# Altium PCB CrypTech.PcbDoc (part 3 of 6) (continued)
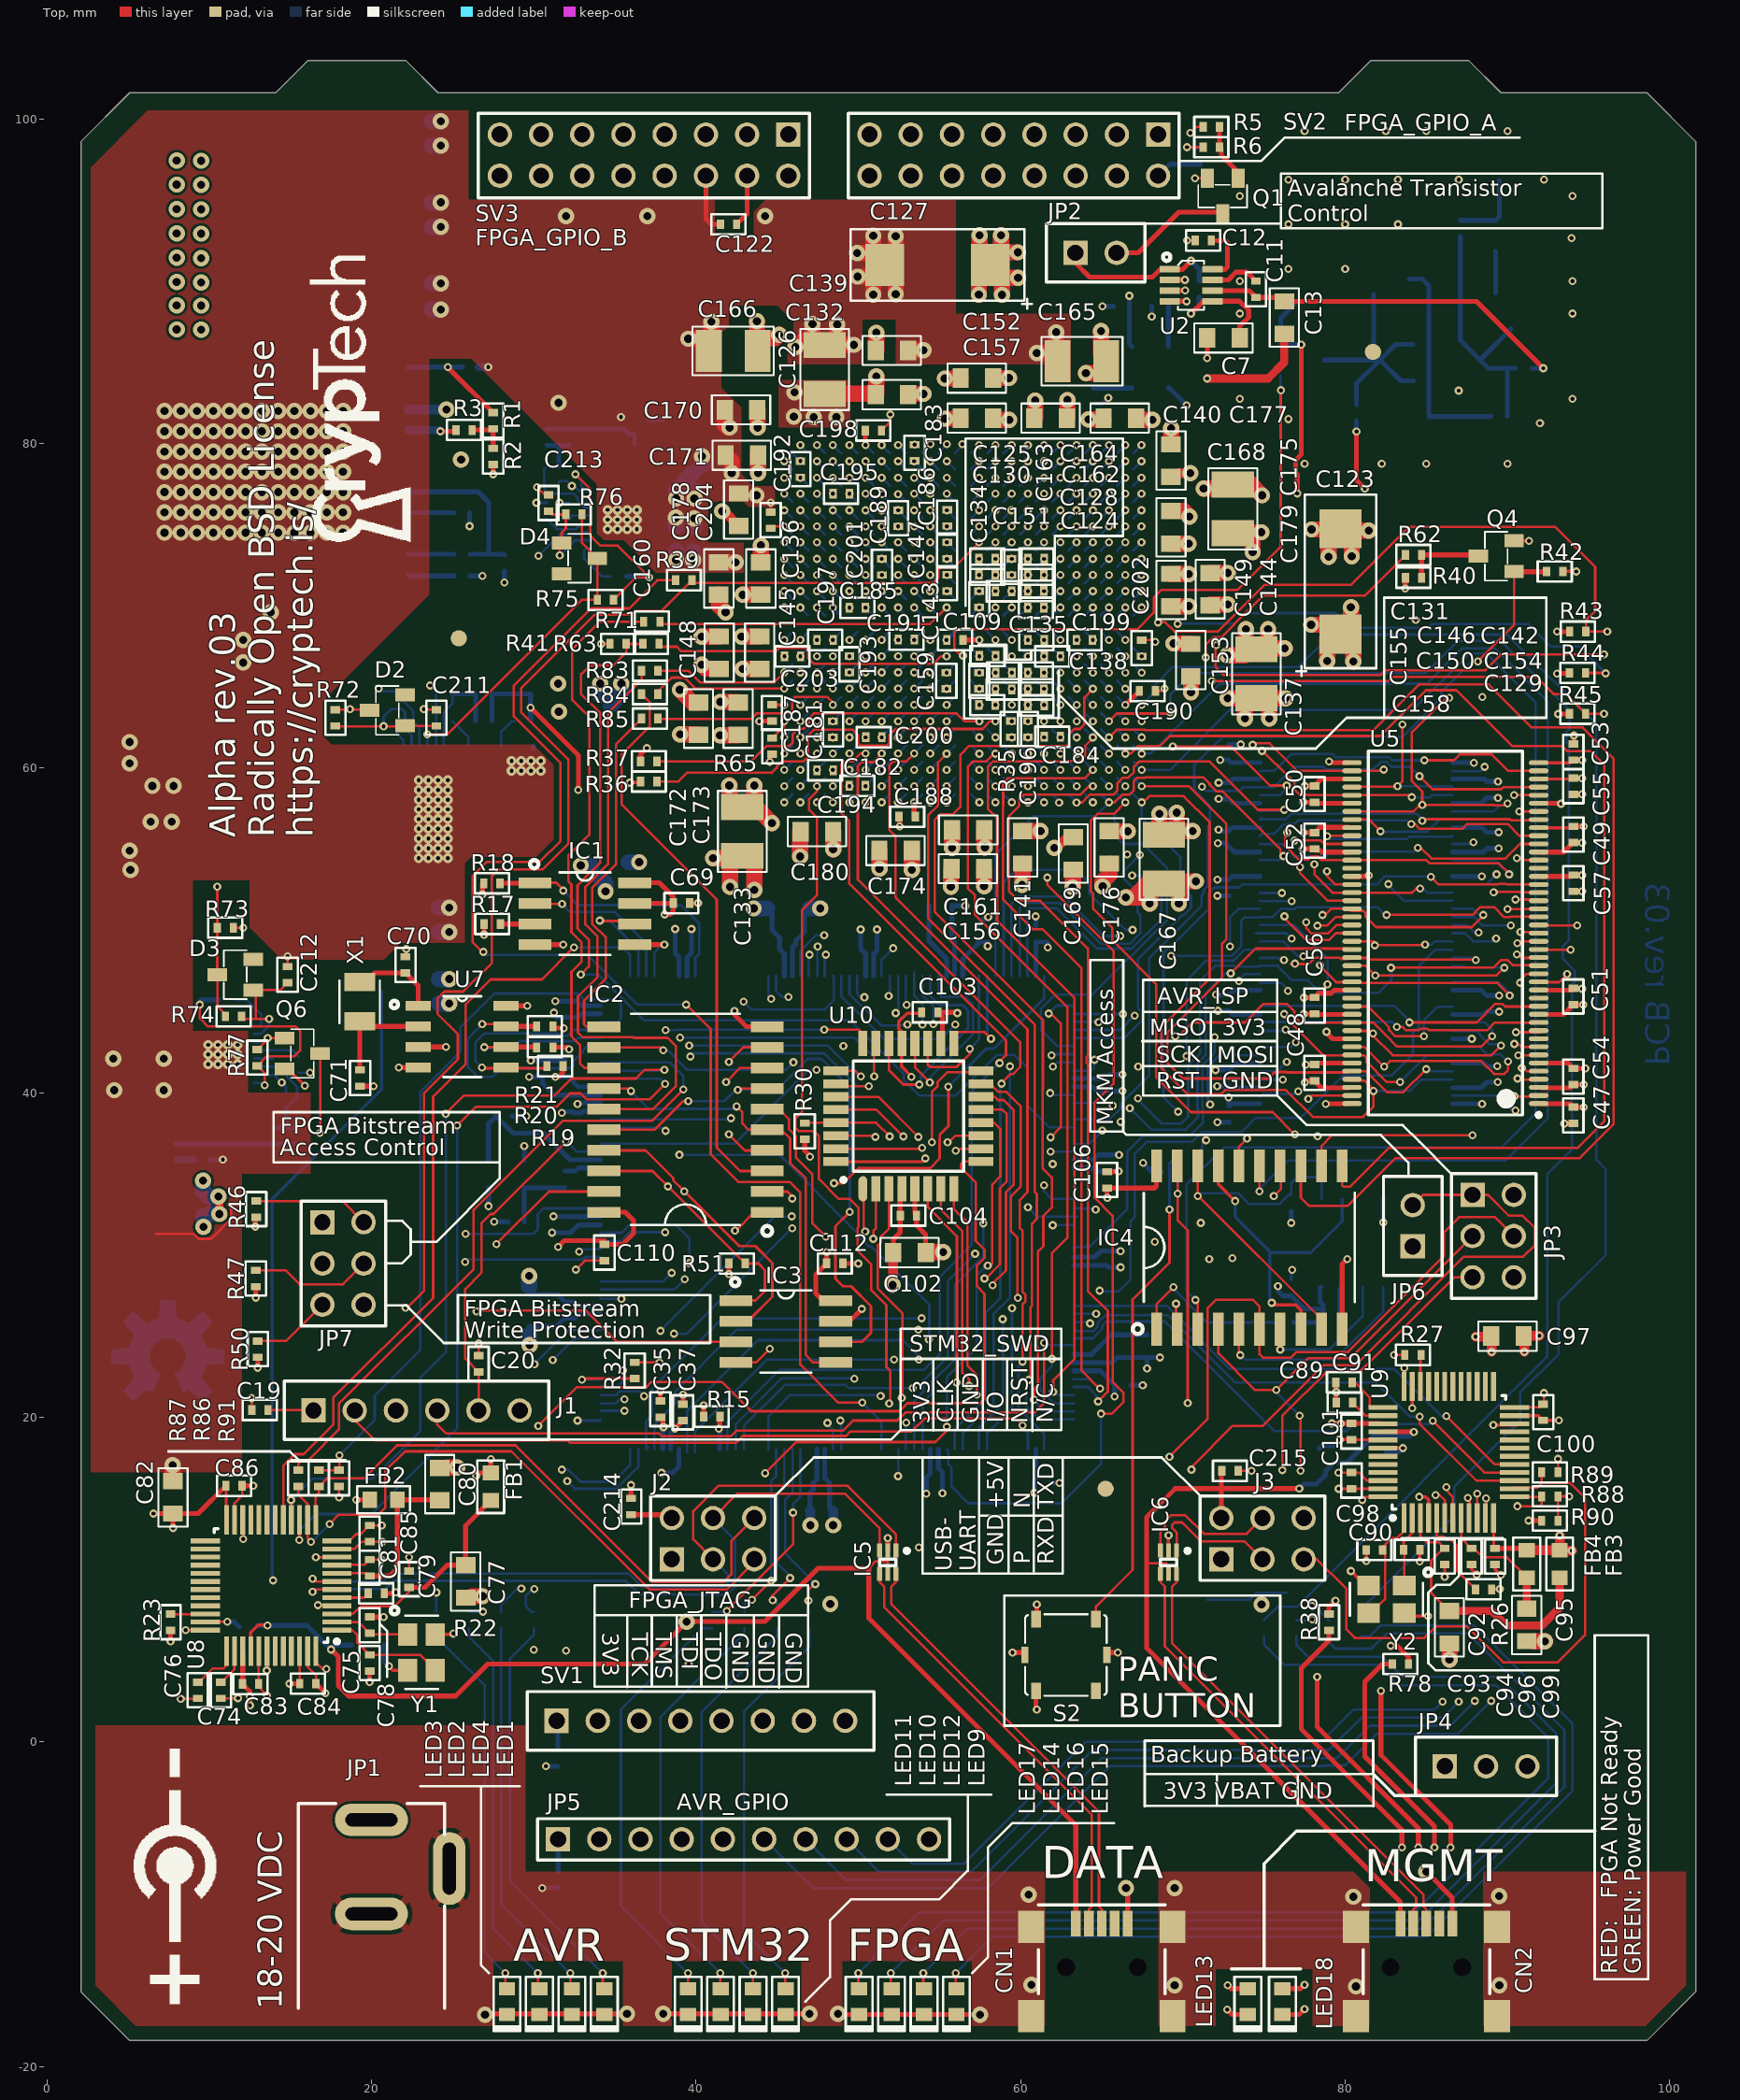
[diagram p0: Top view]
## Nets (pads, with @x,y where several pads share a name; then routed paths per layer and width w, separated by ;. In a path a pad name is that pad's centre, name@x,y a point inside that pad or via, vN(x,y) a via of type N, cw(c..) or ccw(c..) an arc to the next point about the centre after c; other vN are vias at no path point) (continued)
  Inner Layer 1 w0.164: v1(63.453,58.885) 63.765,58.885 64.25,58.4 64.75,58.4 64.971,58.179 64.971,57.654 65.868,56.757 65.868,55.757 66.359,55.266 66.74,55.266 v1(67.353,54.653)
  Inner Layer 2 w0.164: v1@63.51,58.885 v1(63.453,58.885) 63.971,59.403 63.971,61.084 64.29,61.403 64.653,61.403 64.971,61.721 64.971,62.213 65.125,62.367 67.883,62.367 68.225,62.025 70.058,62.025 70.351,62.318 79.032,62.318 84.597,56.753 v1(84.754,56.753)
  Bottom w0.15: U4.101@59.944,47.193 59.944,51.394 60.225,51.675 62.45,51.675 64.948,49.177 66.724,49.177 67.375,49.828 67.375,50.95 67.203,51.122 67.203,52.347 66.363,53.187 66.363,53.662 v1(67.353,54.653) ; U13.AA5@62.953,59.385 v1(63.453,58.885) ; U6.36@74.839,56.925 74.74,56.826 76.323,56.826 76.672,57.175 84.425,57.175 84.754,56.846 v1(84.754,56.753)
FMC_D20: U4.102 U5.37 U6.37 U13.AB5 | length 58.7
  Top w0.15: v1(63.45,57.875) 63.8,57.875 63.978,58.053 63.978,58.082 64.257,58.36 65.71,58.36 65.975,58.625 65.975,59.078 66.307,59.41 66.65,59.41 66.978,59.738 66.978,60.082 67.257,60.36 67.285,60.36 67.325,60.4 71.65,60.4 74.625,57.425 v1(76.25,57.425) ; v1(90.725,57.325) v1(90.725,57.325) U5.37@92.1,57.326
  Inner Layer 1 w0.164: v1@63.4,57.675 64.375,56.7 64.375,55.525 66.1,53.8 66.45,53.8 v1(66.875,53.375) ; v1(76.25,57.425) 76.35,57.325 82.357,57.325 83.714,58.682 85.45,58.682 86.257,57.875 88.768,57.875 89.4,57.243 90.643,57.243 v1(90.725,57.325)
  Bottom w0.15: U4.102@60.452,47.193 60.41,47.236 60.41,51.21 60.575,51.375 62.215,51.375 64.712,48.877 66.848,48.877 68.675,50.704 68.675,52.1 67.4,53.375 v1(66.875,53.375) ; U13.AB5@62.953,58.385 v1@63.4,57.938 ; U6.37@74.74,57.326 74.782,57.368 76.193,57.368 v1(76.25,57.425)
FMC_D21: U4.151 U5.39 U6.39 U13.Y4 | length 81.2
  Top w0.15: v1(64.453,59.885) 63.928,59.36 59.21,59.36 58.928,59.078 58.928,57.66 58.9,57.631 58.9,51.925 60.75,50.075 61.35,50.075 63.75,47.675 63.75,22.889 64.87,21.77 v1(64.9,21.77) ; v1(69.375,61.325) 72.975,61.325 75.375,58.925 v1(76.4,58.925) ; v1(90.404,58.328) 90.406,58.326 U5.39@92.1,58.326
  Inner Layer 1 w0.164: v1(76.4,58.925) 76.9,59.425 82.168,59.425 82.175,59.418 82.575,59.418 82.582,59.425 83.968,59.425 84.375,59.018 88.007,59.018 88.375,58.65 90.25,58.65 90.45,58.45 90.404,58.404 v1(90.404,58.328)
  Inner Layer 2 w0.164: v1(64.453,59.885) 64.453,60.203 64.971,60.721 64.971,61.084 65.254,61.367 69.342,61.367 69.375,61.4 v1(69.375,61.325)
  Bottom w0.15: U4.151@63.271,22.352 64.318,22.352 v1(64.9,21.77) ; U13.Y4@63.953,60.385 v1(64.453,59.885) ; U6.39@74.74,58.326 75.976,58.326 76.4,58.75 v1(76.4,58.925)
FMC_D22: U4.152 U5.40 U6.40 U13.AA4 | length 79.7
  Top w0.15: v1(64.453,58.885) 64.21,58.885 63.685,58.36 60.185,58.36 59.928,58.103 59.928,57.688 59.275,57.035 59.275,52.425 59.875,51.825 61.2,51.825 64.15,48.875 64.15,42.294 64.078,42.222 64.078,41.828 64.15,41.756 64.15,27.775 65.375,26.55 65.375,21.573 65.097,21.295 65.095,21.295 v1(64.775,20.975) ; v1(84.575,59.5) 85.384,58.691 89.613,58.691 89.748,58.826 U5.40@92.1,58.826
  Inner Layer 1 w0.164: v1(64.453,58.885) 64.971,59.403 64.971,60.146 65.2,60.375 68.85,60.375 70.375,58.85 v1(71.175,58.85)
  Bottom w0.15: U4.152@63.271,21.869 64.156,21.869 64.425,21.6 64.425,21.573 64.775,21.223 v1(64.775,20.975) ; U13.AA4@63.953,59.385 v1(64.453,58.885) ; v1(71.175,58.85) 71.425,58.6 73.5,58.6 73.726,58.826 75.626,58.826 76.875,60.075 78.653,60.075 78.803,59.925 81.728,59.925 82.178,60.375 82.572,60.375 82.872,60.075 84,60.075 v1(84.575,59.5)
FMC_D23: U4.153 U5.42 U6.42 U13.V4 | length 94.8
  Top w0.15: v1(62.003,21.576) 62.003,22.278 63.325,23.6 63.325,45.825 58.55,50.6 58.55,56.925 57.978,57.497 57.978,60.082 58.307,60.41 62.65,60.41 62.665,60.425 63.241,60.425 63.257,60.41 63.65,60.41 63.978,60.738 63.978,61.36 64.453,61.835 v1(64.453,61.885) ; v1(84.879,60.478) 86.703,60.478 87.075,60.85 89.025,60.85 90.049,59.826 U5.42@92.1,59.826
  Inner Layer 2 w0.164: v1(64.453,61.885) 64.657,62.089 64.657,62.407 64.935,62.685 64.935,64.048 65.254,64.367 69.067,64.367 70.55,65.85 79.507,65.85 v1(84.879,60.478)
  Bottom w0.15: v1(62.003,21.576) 62.003,21.572 62.214,21.361 U4.153@63.271,21.361 ; U13.V4@63.953,62.385 v1(64.453,61.885) ; U6.42@74.74,59.826 75.626,59.826 76.675,60.875 79.197,60.875 79.397,60.675 82.696,60.675 82.893,60.478 v1(84.879,60.478)
FMC_D24: U4.154 U5.45 U6.45 U13.W10 | length 83.9
  Top w0.15: v1(58.453,60.885) 58.357,60.885 57.882,60.41 57.085,60.41 56.75,60.075 56.75,52.6 57.175,52.175 57.175,50.978 62.875,45.278 62.875,31.05 61.925,30.1 v1(61.925,23.6) ; v1(74.3,61.425) 74.4,61.525 75.35,61.525 77.049,59.826 80.227,59.826 82.301,59.826 v1(82.375,59.9)
  Inner Layer 1 w0.164: v1(58.453,60.885) 58.772,60.885 59.254,60.403 59.653,60.403 59.971,60.721 59.971,61.084 60.29,61.403 62.653,61.403 62.935,61.685 62.935,62.048 63.29,62.403 65.653,62.403 65.971,62.721 65.971,63.084 66.254,63.367 66.617,63.367 66.971,63.721 66.971,64.084 67.254,64.367 69.676,64.367 70.1,63.943 70.657,63.943 72.675,61.925 73.343,61.925 73.357,61.939 73.786,61.939 v1(74.3,61.425) ; v1(82.375,59.9) 82.457,59.982 87.586,59.982 87.724,59.844 88.123,59.844 88.354,60.075 v1(88.6,60.075)
  Bottom w0.15: U13.W10@57.953,61.385 v1(58.453,60.885) ; v1(61.925,23.6) 61.925,23.125 61.175,22.375 61.175,21.728 62.05,20.853 U4.154@63.271,20.853 ; U6.45@86.614,59.826 86.64,59.8 88.325,59.8 v1(88.6,60.075)
FMC_D25: U4.155 U5.47 U6.47 U13.R4 | length 92.6
  Top w0.15: v1(60.825,21.075) 60.825,21.775 61.075,22.025 61.075,24.303 60.975,24.403 60.975,24.797 61.075,24.897 61.075,30.225 61.4,30.55 61.4,32.4 61.925,32.925 61.925,34.775 61.35,35.35 61.35,40.172 61.375,40.197 61.375,44.475 54.7,51.15 54.7,56.8 55.05,57.15 55.825,57.15 56.3,57.625 56.3,60.825 56.835,61.36 62.835,61.36 62.978,61.503 62.978,62.082 63.307,62.41 63.65,62.41 63.928,62.688 63.928,64.347 64.453,64.872 v1(64.453,64.885) ; U5.47@80.252,58.851 v1@83.225,58.851 ; v1(83.225,58.875) 83.525,59.175 v1(83.525,62.675)
  Inner Layer 2 w0.164: v1(64.453,64.885) 64.951,65.382 69.075,65.382 69.09,65.367 69.417,65.367 70.375,66.325 72.315,66.325 72.422,66.218 77.483,66.218 78.597,67.332 80.918,67.332 83.525,64.725 v1(83.525,62.675)
  Bottom w0.15: v1(60.825,21.075) 61.529,20.371 U4.155@63.271,20.371 ; U13.R4@63.953,65.385 v1(64.453,64.885) ; v1(83.225,58.875) 86.565,58.875 U6.47@86.614,58.826
FMC_D26: U4.156 U5.48 U6.48 U13.W12 | length 85.5
  Top w0.15: v1(55.445,60.885) 54.909,60.349 54.909,57.693 54.3,57.084 54.3,50.75 60.875,44.175 60.875,33.875 61,33.75 61,32.225 60.7,31.925 60.7,26.875 60.6,26.775 60.6,22.4 v1(60.5,22.3) ; v1@74.85,61.125 76.575,59.4 76.597,59.4 76.875,59.122 76.875,58.675 77.18,58.37 77.62,58.37 77.645,58.345 80.227,58.345 80.227,58.326 83.974,58.326 v1(84.1,58.2)
  Inner Layer 1 w0.164: v1(55.445,60.885) 56.735,60.885 57.253,61.403 59.653,61.403 59.935,61.685 59.935,62.048 60.254,62.367 62.617,62.367 62.971,62.721 62.971,63.084 63.29,63.403 64.653,63.403 64.971,63.721 64.971,64.084 65.254,64.367 66.642,64.367 67,64.725 67.997,64.725 68.675,65.403 69.875,65.403 69.879,65.407 70.843,65.407 71.55,64.7 71.55,63.875 73.107,62.318 74.182,62.318 74.85,61.65 v1@74.85,61.075
  Bottom w0.15: v1(55.445,60.885) U13.W12@55.945,61.385 ; v1(60.5,22.3) 60.35,22.15 60.35,20.675 61.162,19.863 U4.156@63.271,19.863 ; v1(84.1,58.2) 85.225,58.2 85.351,58.326 U6.48@86.614,58.326
  other v1: 74.875,61.05
FMC_D27: U4.157 U5.50 U6.50 U13.W14 | length 112.9
  Top w0.15: v1(53.443,60.889) 52.968,60.414 52.164,60.414 51.912,60.162 51.912,56.188 52.3,55.8 52.3,52.025 60.425,43.9 60.425,33.875 59.95,33.4 59.95,31.65 60.125,31.475 60.125,27.722 60.3,27.547 60.3,27.153 60.125,26.978 v1(60.125,23.425) ; U5.50@80.227,57.326 84.201,57.326 v1@84.6,57.725 ; v1(84.75,57.725) v1@84.6,57.725 ; v1(86.4,64.325) 86.25,64.325 84.1,62.175 84.1,59.2 84.75,58.55 84.75,57.875 v1@84.6,57.725 ; v1(90,57.807) 90,57.75 89.941,57.691 89.219,57.691 89.185,57.725 v1@84.6,57.725
  Inner Layer 2 w0.164: v1(53.443,60.889) 53.926,61.372 56.258,61.372 57.254,62.367 59.792,62.367 59.971,62.546 59.971,63.084 60.254,63.367 60.617,63.367 60.971,63.721 60.971,64.084 61.254,64.367 61.617,64.367 61.971,64.721 61.971,66.084 62.29,66.403 62.653,66.403 62.935,66.685 62.935,67.048 63.29,67.403 63.653,67.403 63.935,67.685 63.935,68.048 64.287,68.4 67.725,68.4 ; 67.732,68.407 70.432,68.407 72.022,69.997 72.022,70.382 72.45,70.81 73.057,70.81 73.092,70.775 77.7,70.775 79.307,69.168 81.657,69.168 86.4,64.425 v1(86.4,64.325)
  Bottom w0.15: v1@53.453,60.914 U13.W14@53.948,61.41 ; v1(60.125,23.425) 59.875,23.175 59.875,20.55 61.443,18.982 U4.157@61.443,18.034 ; U6.50@86.614,57.326 89.151,57.326 89.516,57.691 89.884,57.691 v1(90,57.807)
FMC_D28: U4.207 U5.51 U6.51 U13.V20 | length 144.5
  Top w0.15: U5.51@80.227,56.826 81.474,56.826 v1@82.225,56.075
  Inner Layer 1 w0.164: v1(32.069,16.075) 32.382,16.388 32.382,17.185 32.1,17.467 32.1,34.943 30.754,36.289 30.754,47.5 31.213,47.96 31.213,53.384 33.304,55.475 34.22,55.475 40.038,61.293 45.046,61.293 45.125,61.372 46.931,61.372 v1(47.449,61.89) ; v1(82.175,56.1) 82.325,55.95 88.814,55.95 89.2,55.564 90.364,55.564 91.725,56.925 91.725,62 84.6,69.125 v1(84.35,69.125)
  Inner Layer 2 w0.164: v1(47.449,61.89) 47.758,61.89 48.24,62.372 48.603,62.372 48.974,62.742 48.974,63.089 49.256,63.372 49.619,63.372 49.964,63.716 49.964,64.089 50.247,64.371 50.61,64.371 50.955,64.716 50.955,65.089 51.237,65.371 51.601,65.371 51.971,65.742 51.971,66.089 52.253,66.372 53.607,66.372 53.952,66.716 53.952,67.089 54.234,67.372 54.598,67.372 54.943,67.716 54.943,68.089 55.904,69.05 56.5,69.05 56.85,69.4 65.642,69.4 65.971,69.729 65.971,70.092 66.301,70.422 66.648,70.422 66.967,70.74 66.967,71.104 67.276,71.413 67.648,71.413 67.931,71.695 67.931,71.731 69.293,73.093 71.368,73.093 73.025,74.75 73.725,74.75 74.232,75.257 75.518,75.257 78.625,72.15 81.325,72.15 v1(84.35,69.125)
  Bottom w0.15: v1(32.069,16.075) 32.548,15.596 35.096,15.596 36.449,16.949 U4.207@36.449,18.034 ; v1(47.449,61.89) U13.V20@47.944,62.385 ; v1(82.175,56.1) 82.2,56.075 85.05,56.075 85.801,56.826 U6.51@86.614,56.826
FMC_D29: U4.208 U5.53 U6.53 U13.V18 | length 146.9
  Top w0.15: v1(78.9,55.8) 78.926,55.826 U5.53@80.227,55.826
  Inner Layer 1 w0.164: v1(31.729,16.775) 31.7,16.804 31.7,29.425 30.275,30.85 30.275,41.75 30.304,41.779 30.304,42.178 30.275,42.207 30.275,47.783 30.626,48.135 30.626,53.725 32.926,56.024 34.062,56.024 40.887,62.85 43.243,62.85 43.7,62.393 48.952,62.393 v1(49.456,61.89) ; v1(78.9,55.8) 80.05,55.8 80.9,56.65 82.75,56.65 83.343,57.243 88.85,57.243 89.25,56.843 90.925,56.843 91.3,57.218 91.3,61.475 88.45,64.325 v1(88.45,64.375)
  Inner Layer 2 w0.164: v1(49.456,61.89) 49.765,61.89 50.283,62.408 52.653,62.408 52.935,62.69 52.935,63.063 53.244,63.372 55.622,63.372 56.653,64.403 58.653,64.403 58.971,64.721 58.971,65.084 59.29,65.403 59.653,65.403 59.971,65.721 59.971,66.084 60.29,66.403 60.653,66.403 60.935,66.685 60.935,68.048 61.937,69.05 66.292,69.05 66.971,69.729 66.971,70.092 67.254,70.375 67.746,70.375 70.15,72.779 73.746,72.779 74.825,71.7 81.05,71.7 88.375,64.375 v1(88.45,64.375)
  Bottom w0.15: v1(31.729,16.775) 32.136,16.775 32.886,16.024 34.894,16.024 35.941,17.071 U4.208@35.941,18.034 ; v1(49.456,61.89) U13.V18@49.951,62.385 ; v1(78.9,55.8) 79.075,55.625 83.8,55.625 83.95,55.775 86.563,55.775 U6.53@86.614,55.826
FMC_D30: U4.11 U5.54 U6.54 U13.R21 | length 123.9
  Top w0.15: v1@76.825,55.55 77.227,55.55 78.479,55.549 78.703,55.325 80.227,55.325 U5.54@80.227,55.326
  Inner Layer 1 w0.164: v1(31.175,23.525) 31.175,28.675 29.85,30 29.85,35.444 28.936,36.358 28.936,52.792 36.886,60.743 37.175,60.743 38.293,61.861 38.293,62.378 38.722,62.807 39.076,62.807 39.612,63.343 41.803,63.343 41.868,63.407 45.642,63.407 45.925,63.69 45.925,64.381 v1(46.433,64.889) 46.485,64.889 46.967,65.371 48.603,65.371 48.974,65.742 48.974,66.089 49.292,66.407 49.655,66.407 49.964,66.716 49.964,67.089 50.283,67.408 50.646,67.408 50.955,67.716 50.955,68.089 52.272,69.406 52.653,69.406 52.961,69.715 52.961,70.088 53.244,70.37 53.591,70.37 53.952,70.731 53.952,71.104 54.261,71.413 69.877,71.413 70.072,71.218 73.617,71.218 77.075,67.76 77.075,61.075 75.2,59.2 75.2,56.175 75.85,55.525 v1(76.875,55.525) 77.925,55.525 78.132,55.318 84.036,55.318 84.275,55.557 87.768,55.557 v1(87.9,55.425)
  Bottom w0.15: v1(31.175,23.525) 32.517,24.867 U4.11@34.112,24.867 ; v1(46.433,64.889) U13.R21@46.928,65.385 ; U6.54@86.614,55.326 87.801,55.326 v1(87.9,55.425)
FMC_D31: U4.12 U5.56 U6.56 U13.P21 | length 130.4
  Top w0.15: v1(76.429,56.028) 76.303,56.028 76.303,55.197 77.122,54.378 77.732,54.378 77.907,54.553 78.301,54.553 78.527,54.326 84.999,54.326 85.201,54.125 89.475,54.125 90.1,53.5 v1(90.1,53.45)
  Inner Layer 1 w0.164: v1(30.05,23.275) 29.6,23.275 28.8,24.075 28.8,29.2 29.275,29.675 29.275,35.225 28.5,36 28.5,53.628 38.822,63.95 40.06,63.95 40.917,64.807 43.007,64.807 43.6,65.4 45.944,65.4 v1(46.433,65.889) 46.767,65.889 47.285,66.407 48.639,66.407 48.974,66.742 48.974,67.089 49.292,67.408 49.655,67.408 49.964,67.716 49.964,68.089 51.281,69.406 51.637,69.406 51.971,69.74 51.971,70.088 52.253,70.37 52.601,70.37 52.935,70.704 52.935,71.077 53.27,71.413 53.643,71.413 53.926,71.695 53.926,72.068 54.234,72.377 69.766,72.377 70.147,72.757 73.268,72.757 74.825,71.2 74.825,70.625 77.575,67.875 77.575,60.925 75.65,59 75.65,56.5 76,56.15 76.4,56.15 v1@76.475,56.075 ; v1(76.429,56.028) v1@76.475,56.074
  Bottom w0.15: v1(30.05,23.275) 32.15,25.375 U4.12@34.112,25.375 ; v1(46.433,65.889) U13.P21@46.928,66.385 ; U6.56@86.614,54.326 89.224,54.326 v1(90.1,53.45)
FMC_NBL0: U4.200 U5.16 U6.16 | length 74.7
  Top w0.15: U5.16@92.1,46.804 93.179,46.804 v1(93.675,47.3)
  Inner Layer 1 w0.164: v1(76.472,46.265) 76.541,46.334 77.909,46.334 78.738,45.505 91.88,45.505 v1(93.675,47.3)
  Inner Layer 2 w0.164: v1(52.2,23.55) 53.043,23.55 53.525,24.032 54.264,24.032 56.2,25.968 56.2,30.1 56.666,30.566 61.395,30.566 62.457,31.629 62.457,32.462 65.675,35.68 66.261,35.68 66.657,36.075 66.657,36.894 71.738,41.975 72.125,41.975 76.5,46.35 76.5,46.293 v1(76.472,46.265)
  Bottom w0.15: U4.200@39.942,17.864 39.942,19.131 44.361,23.55 v1(52.2,23.55) ; U6.16@74.74,46.804 74.794,46.75 76.075,46.75 v1@76.56,46.265
FMC_NBL1: U4.201 U5.71 U6.71 | length 74.3
  Top w0.15: v1(78.45,47.85) 78.45,47.803 79.449,46.804 80.227,46.804 80.227,46.75 89.397,46.75 90.137,46.009 v1(90.137,45.987)
  Inner Layer 2 w0.164: v1(53.725,23.55) 55.05,23.55 56.7,25.2 56.7,28.758 57.846,29.904 61.404,29.904 64.143,32.643 64.143,33 65.718,34.575 67.35,34.575 70.572,37.797 70.572,38.853 71.45,39.732 71.45,40.475 71.85,40.875 72.25,40.875 72.575,41.2 72.575,41.857 76.318,45.6 76.5,45.6 78.1,47.2 78.1,47.6 v1@78.325,47.825
  Bottom w0.15: U4.201@39.442,17.864 39.442,20.373 43.819,24.75 52.75,24.75 53.725,23.775 v1(53.725,23.55) ; U6.71@86.614,46.804 89.471,46.804 90.137,46.138 v1(90.137,45.987)
FMC_NBL2: U4.205 U5.28 U6.28 | length 80.6
  Top w0.15: v1(85.279,53.303) 85.757,52.825 89.453,52.825 89.503,52.875 89.897,52.875 89.947,52.825 92.099,52.825 U5.28@92.1,52.826
  Inner Layer 1 w0.164: v1(53.7,25.4) 59.975,25.4 69.7,35.125 v1(69.7,38.825)
  Bottom w0.15: U4.205@37.44,18.034 37.44,19.54 38.725,20.825 38.725,21.597 42.528,25.4 v1(53.7,25.4) ; v1(69.7,38.825) 68.8,39.725 68.8,48.622 69.078,48.9 69.175,48.9 71.575,51.3 71.575,52.275 71.95,52.65 73.475,52.65 73.651,52.826 74.74,52.826 81.956,52.826 82.457,53.328 85.254,53.328 v1(85.279,53.303)
FMC_NBL3: U4.206 U5.59 U6.59 | length 81.2
  Top w0.15: v1(78.875,53.65) 78.875,53.35 79.399,52.826 U5.59@80.227,52.826
  Inner Layer 1 w0.164: v1(78.875,53.65) 79.082,53.857 88.918,53.857 v1(89.325,53.45)
  Inner Layer 2 w0.164: v1(53.9,26.1) 53.9,30.625 54.275,31 60.375,31 63.625,34.25 63.625,34.5 71.525,42.4 71.875,42.4 76.943,47.468 77.343,47.468 78.5,48.625 78.825,48.625 80.175,49.975 80.175,52.3 78.875,53.6 v1(78.875,53.65)
  Bottom w0.15: U4.206@37.062,18.165 36.932,18.034 36.932,19.744 37.275,20.088 37.275,21.747 41.628,26.1 v1(53.9,26.1) ; U6.59@86.614,52.826 88.701,52.826 v1(89.325,53.45)
FMC_NE1: U4.173 U13.V5 | length 62.1
  Inner Layer 1 w0.164: v1(57.2,30.075) 61.825,30.075 64.143,32.393 64.143,35.368 65.9,37.125 66.9,37.125 67.8,38.025 67.8,48.075 71.647,51.922 71.647,55.56 71.675,55.589 71.675,59.225 71.35,59.55 70.375,59.55 68.522,61.403 64.254,61.403 63.772,61.885 v1(63.453,61.885)
  Bottom w0.15: U4.173@53.442,18.034 53.442,21.017 54.013,21.588 54.013,22.238 55.525,23.75 55.525,28.4 v1(57.2,30.075) ; U13.V5@62.953,62.385 v1(63.453,61.885)
FMC_NL: U4.196 U13.W17 | length 61.4
  Top w0.15: v1(50.446,60.889) 50.127,60.889 49.652,60.414 49.14,60.414 48.95,60.225 48.95,57.225 49.45,56.725 49.45,52.875 59.1,43.225 59.1,42.3 58.65,41.85 v1@58.775,41.725 ; v1@58.7,41.8 v1(58.7,41.824)
  Bottom w0.15: U4.196@41.935,18.034 41.935,19.71 45.15,22.925 54.05,22.925 55.025,23.9 55.025,28.675 56.975,30.625 56.975,40.099 v1(58.7,41.824) ; v1(50.446,60.889) U13.W17@50.942,61.385
FMC_NOE: U4.168 U13.W16 | length 50.4
  Top w0.15: v1(51.437,60.889) 50.912,60.364 50.214,60.364 49.971,60.121 49.971,53.129 59.975,43.125 59.975,41.578 59.547,41.15 59.373,41.15 58.828,40.604 v1(58.828,40.552)
  Bottom w0.15: v1(51.437,60.889) U13.W16@51.932,61.385 ; U4.168@55.931,18.034 55.931,19.256 57.85,21.175 57.85,26.45 58.75,27.35 v1@58.75,40.5
FMC_NWAIT: U4.172 U13.Y6 | length 53.9
  Inner Layer 1 w0.164: v1(62.453,59.885) 62.453,59.797 62.971,59.279 62.971,58.657 63.271,58.357 63.718,58.357 63.971,58.104 63.971,57.685 64.254,57.403 64.297,57.403 64.775,56.925 64.775,55.925 66.025,54.675 v1(66.575,54.675) 67.725,53.525 67.725,52.725 67.21,52.21 67.21,51.614 66.671,51.075 66.1,51.075 65.45,50.425 65.45,49.375 65.75,49.075 65.75,44.725 66.767,43.708 66.767,39.874 66.175,39.282 v1(66.175,38.2)
  Inner Layer 2 w0.164: v1(57.7,31.95) 60.543,34.793 62.975,34.793 66.175,37.993 v1(66.175,38.2)
  Bottom w0.15: U4.172@53.95,18.034 53.95,20.9 54.5,21.45 54.5,22.125 55.95,23.575 55.95,28.15 57.7,29.9 v1(57.7,31.95) ; U13.Y6@61.953,60.385 v1(62.453,59.885)
FMC_NWE: U4.169 U13.AA6 | length 61.8
  Top w0.15: v1@61.65,53.25 61.65,52.8 65.725,48.725 65.725,40.55 64.55,39.375 64.55,33.547 65.675,32.422 65.675,22.175 66.35,21.5 66.35,20.95 65.625,20.225 v1(64.95,20.225)
  Inner Layer 2 w0.164: v1(61.653,53.253) 61.653,53.278 62.91,54.535 62.91,55.475 60.925,57.46 60.925,57.664 60.935,57.675 60.935,58.11 61.228,58.403 61.971,58.403 v1(62.453,58.885)
  Bottom w0.15: U4.169@55.448,18.034 55.553,17.929 55.553,17.09 55.75,16.893 55.75,15.725 56.775,14.7 62.525,14.7 64.95,17.125 v1(64.95,20.225) ; U13.AA6@61.953,59.385 v1(62.453,58.885)
FMC_SDCKE0: U4.38 U5.67 | length 56.4
  Top w0.15: v1(72.95,47.35) 74.475,48.875 80.227,48.875 U5.67@80.227,48.81
  Inner Layer 2 w0.164: v1(42.15,38.425) 43.525,38.425 44.1,39 64.593,39 65.275,39.682 66.036,39.682 66.668,39.05 v1(66.725,39.05)
  Bottom w0.15: U4.38@34.112,38.354 42.079,38.354 v1(42.15,38.425) ; v1(66.725,39.05) 68.05,37.725 70.175,37.725 70.933,38.483 70.933,38.921 70.9,38.954 70.9,41.805 71.4,42.305 71.4,46.124 72.626,47.35 v1(72.95,47.35)
FMC_SDCKE1: U4.194 U6.67 | length 64.8
  Inner Layer 1 w0.164: v1(53.35,21.8) 53.375,21.8 55.925,24.35 60.325,24.35 63.775,27.8 v1(64.875,27.8)
  Bottom w0.15: U4.194@42.951,18.034 42.951,19.476 45.475,22 49.2,22 49.4,21.8 v1(53.35,21.8) ; v1(64.875,27.8) 64.875,27.75 66.025,27.75 66.775,28.5 66.775,32.075 67.025,32.325 67.025,36.2 67.8,36.975 70.575,36.975 71.175,37.575 73.6,37.575 74.473,38.448 77.252,38.448 79.853,41.05 82.85,41.05 84.175,42.375 84.175,43.7 84.525,44.05 84.525,47.775 85.56,48.81 U6.67@86.614,48.81
FMC_SDCLK: U4.135 U5.68 U6.68 | length 39.2
  Top w0.15: 76.65,47.925 77.75,47.925 78.15,48.325 79.668,48.325 79.75,48.243 80.167,48.243 80.227,48.302 81.445,48.302 81.55,48.197 88.034,48.197 v1(88.054,48.177) ; v1@76.675,47.95 v1(76.9,47.95)
  Inner Layer 2 w0.164: v1(71.95,43.425) 72.375,43.425 v1(76.9,47.95)
  Bottom w0.15: U4.135@63.271,30.353 63.271,30.484 64.215,30.484 66.575,32.843 66.575,36.375 67.55,37.35 70.45,37.35 71.233,38.133 71.233,39.046 71.2,39.078 71.2,41.681 71.95,42.431 v1(71.95,43.425) ; U6.68@86.614,48.302 87.748,48.302 87.873,48.177 v1(88.054,48.177)
FMC_SDNCAS: U4.191 U5.18 U6.18 | length 74.1
  Top w0.15: v1(82.825,47.7) 89.128,47.7 89.603,48.175 89.997,48.175 90.322,47.85 92.07,47.85 U5.18@92.1,47.82
  Inner Layer 1 w0.164: v1(51.378,21.301) 51.401,21.301 53.025,22.925 53.025,26.525 56.718,30.218 56.718,30.275 57,30.557 61.532,30.557 63.45,32.475 63.45,35.4 65.675,37.625 66.7,37.625 67.225,38.15 v1(67.225,39.65)
  Bottom w0.15: U4.191@44.45,18.034 44.45,20.025 45.8,21.375 51.375,21.375 51.375,21.304 v1(51.378,21.301) ; v1@67.15,39.625 68.675,38.1 69.9,38.1 70.325,38.525 70.325,41.677 71.05,42.402 71.05,46.875 72,47.825 73.147,47.825 73.209,47.763 74.74,47.763 74.74,47.82 75.83,47.82 76.725,46.925 77.7,46.925 78.475,46.15 82.05,46.15 82.85,46.95 v1@82.85,47.75
FMC_SDNE0: U4.37 U5.20 | length 79.6
  Top w0.15: U5.20@92.1,48.81 v1(93.885,48.81) v1@93.925,48.85
  Inner Layer 1 w0.164: v1(38.125,37.65) 38.975,36.8 v1(38.975,36.175) ; v1(54.35,24.8) 54.364,24.786 59.986,24.786 72.925,37.725 75.693,37.725 76.475,36.943 77.1,36.943 77.482,37.325 v1(78.3,37.325)
  Inner Layer 2 w0.164: v1(78.3,37.325) 82.483,37.325 88.282,43.124 88.282,43.384 88.855,43.957 89.139,43.957 93.885,48.704 v1(93.885,48.81)
  Bottom w0.15: U4.37@34.112,37.871 34.112,37.825 37.95,37.825 v1(38.125,37.65) ; v1(38.975,36.175) 45.125,36.175 49.952,31.348 49.952,31.201 50.628,30.525 50.775,30.525 54.375,26.925 54.375,24.825 v1(54.35,24.8)
FMC_SDNE1: U4.195 U6.20 | length 52.8
  Inner Layer 2 w0.164: v1(49.75,22.375) 51.1,23.725 51.1,30 52.568,31.468 60.125,31.468 70.228,41.572 v1(70.228,42.252)
  Bottom w0.15: U4.195@42.443,18.034 42.443,19.582 45.262,22.4 v1@49.75,22.4 ; v1(70.228,42.252) 70.228,46.928 71.425,48.125 73.131,48.125 73.816,48.81 U6.20@74.74,48.81
FMC_SDNRAS: U4.70 U5.19 U6.19 | length 59.5
  Top w0.15: v1(90.575,48.525) 90.65,48.525 90.873,48.302 U5.19@92.1,48.302
  Inner Layer 1 w0.164: v1(76.228,48.175) 76.228,47.722 76.582,47.368 81.311,47.368 81.65,47.707 82.136,47.707 82.625,47.218 83.025,47.218 83.307,47.5 88.9,47.5 89.75,48.35 90.4,48.35 v1(90.575,48.525)
  Inner Layer 2 w0.164: v1(44.625,45.775) 44.625,45.425 46.893,43.157 46.893,41.254 48.255,39.893 59.118,39.893 59.875,40.65 62.5,40.65 63.262,41.413 65.687,41.413 66.375,42.1 69.395,42.1 70.029,42.734 70.484,42.734 71.725,43.975 72.3,43.975 76.228,47.903 v1(76.228,48.175)
  Bottom w0.15: U4.70@44.45,47.193 44.45,45.95 v1(44.625,45.775) ; U6.19@74.74,48.302 76.123,48.302 76.25,48.175 v1(76.228,48.175)
FMC_SDNWE: U4.35 U5.17 U6.17 | length 65.2
  Top w0.15: v1(90.775,46.775) 90.775,46.925 91.15,47.3 92.089,47.3 U5.17@92.1,47.312
  Inner Layer 1 w0.164: v1(73.45,46.875) 77.975,46.875 78.75,46.1 86.125,46.1 86.6,46.575 90.575,46.575 v1(90.775,46.775)
  Inner Layer 2 w0.164: v1(47.427,41.402) 47.518,41.493 53.482,41.493 53.857,41.118 62.2,41.118 63.664,42.582 69.407,42.582 70.45,43.625 70.45,44.016 71.958,45.524 72.206,45.524 73.45,46.768 v1(73.45,46.875)
  Bottom w0.15: U4.35@34.112,36.855 42.381,36.855 46.927,41.402 v1(47.427,41.402) ; v1(73.45,46.875) 73.45,46.95 73.812,47.312 U6.17@74.74,47.312
FPGA_CFG_CS_N: IC2.11 R85.1 | length 22.3
  Top w0.15: IC2.11@34.327,44.067 33.258,44.067 33.1,44.225 33.1,45.675 34.45,47.025 34.45,49.553 33.6,50.403 33.6,52.625 35.075,54.1 35.075,61.475 R85.1@36.65,63.05
FPGA_CFG_CS_N1: R85.2 U13.T19 | length 12.7
  Top w0.15: R85.2@37.65,63.05 37.675,63.025 43.378,63.025 43.718,63.365 45.765,63.365 45.925,63.525 45.925,64.2 46.1,64.375 48.1,64.375 48.44,64.035 v1(48.44,63.889)
  Bottom w0.15: v1(48.44,63.889) U13.T19@48.935,64.385
FPGA_CFG_CTRL_ARM_ENA: JP7.1 U4.27 | length 19.2
  Inner Layer 1 w0.15: JP7.1@16.98,32.015 18.378,30.617 20.407,30.617 21.089,31.3
  Inner Layer 1 w0.164: 21.089,31.3 v1(25.8,31.3)
  Bottom w0.164: v1(25.8,31.3) 29.975,31.3 30.25,31.575 30.25,32.525 30.593,32.868 U4.27@34.112,32.868
FPGA_CFG_CTRL_FPGA_DIS: JP7.3 U4.21 | length 18.4
  Inner Layer 1 w0.15: JP7.3@16.98,29.475 18.255,28.2 24.4,28.2
  Inner Layer 1 w0.164: 24.4,28.2 v1(25.775,29.575)
  Bottom w0.164: v1(25.775,29.575) 25.918,29.718 33,29.718 33.152,29.87 U4.21@34.112,29.87
FPGA_CFG_MISO: IC2.3 R84.1 | length 35
  Top w0.15: R84.1@36.65,64.561 37.15,64.061 37.15,62.575 35.425,60.85 35.425,57.75 41.275,51.9 41.275,36.625 42.725,35.175 44.383,35.175 IC2.3@44.385,35.177
FPGA_CFG_MISO1: R84.2 U13.R22 | length 9.3
  Top w0.15: R84.2@37.65,64.561 37.65,64.725 38.5,65.575 39.3,65.575 39.986,64.889 v1(45.442,64.889)
  Bottom w0.15: v1(45.442,64.889) U13.R22@45.938,65.385
FPGA_CFG_MOSI: IC2.15 R83.1 | length 38.4
  Top w0.15: IC2.15@34.327,38.987 37.362,38.987 38.75,40.375 38.75,42.875 38.248,43.377 36.173,43.377 36.125,43.425 33,43.425 32.725,43.7 32.725,45.925 33.925,47.125 33.925,49.625 33.175,50.375 33.175,52.675 34.575,54.075 34.575,63.375 35.675,64.475 35.7,64.475 36.65,65.425 R83.1@36.65,66
FPGA_CFG_MOSI1: R83.2 U13.P22 | length 9
  Top w0.15: R83.2@37.65,66 39.525,66 40.25,65.275 44.828,65.275 v1(45.442,65.889)
  Bottom w0.15: v1(45.442,65.889) U13.P22@45.938,66.385
FPGA_CFG_SCLK: IC2.13 R71.1 | length 34
  Top w0.15: IC2.13@34.327,41.527 33.123,41.527 32.85,41.8 32.85,42.95 32.325,43.475 32.325,47.45 32.952,48.077 32.952,49.248 32.325,49.875 32.325,52.825 32.125,53.025 32.125,54.6 33.425,55.9 33.425,63.15 32.375,64.2 32.375,67.325 34.075,69.025 R71.1@36.775,69.025
FPGA_CFG_SCLK1: R71.2 U13.L12 | length 19
  Top w0.15: R71.2@37.775,69.025 37.775,68.875 54.42,68.875 v1(55.441,69.897)
  Bottom w0.15: v1(55.441,69.897) U13.L12@55.945,69.393
FPGA_DONE: R39.1 U4.177 | length 83.7
  Top w0.15: v1(26.9,48.675) 26.825,48.675 26.225,49.275 26.225,53.35 27.1,54.225 30.375,54.225 31.65,55.5 31.65,60.3 28.775,63.175 28.775,65.075 33.533,69.833 35.88,69.833 37.622,71.575 R39.1@38.75,71.575 ; v1(39.4,45.425) 40.9,43.925 40.9,36.2 42.6,34.5 45.775,34.5 46.425,33.85 46.425,23.25 48.775,20.9 v1(50.25,20.9)
  Bottom w0.15: v1(26.9,48.675) 27.098,48.477 33.323,48.477 36.375,45.425 v1(39.4,45.425) ; v1(50.25,20.9) 51.435,19.715 U4.177@51.435,18.034